# Altium PCB GameBoard_V1I1_Phase1.PcbDoc (part 2 of 18)
Units mm, origin at the board's own origin, x right, y up, seen from the top; angles counter-clockwise.
Board outline 182 x 70.2 mm, 12 copper layers (L1, L2, L3, L4, L5 (PWR), L6 (PWR), L7 (PWR), L8 (PWR), L9, L10, L11, L12), stack 2.079 mm thick; 1542 components, 1068 nets, 5447 pads, 3805 vias.
Unrouted connection lines stored in the file: 2.
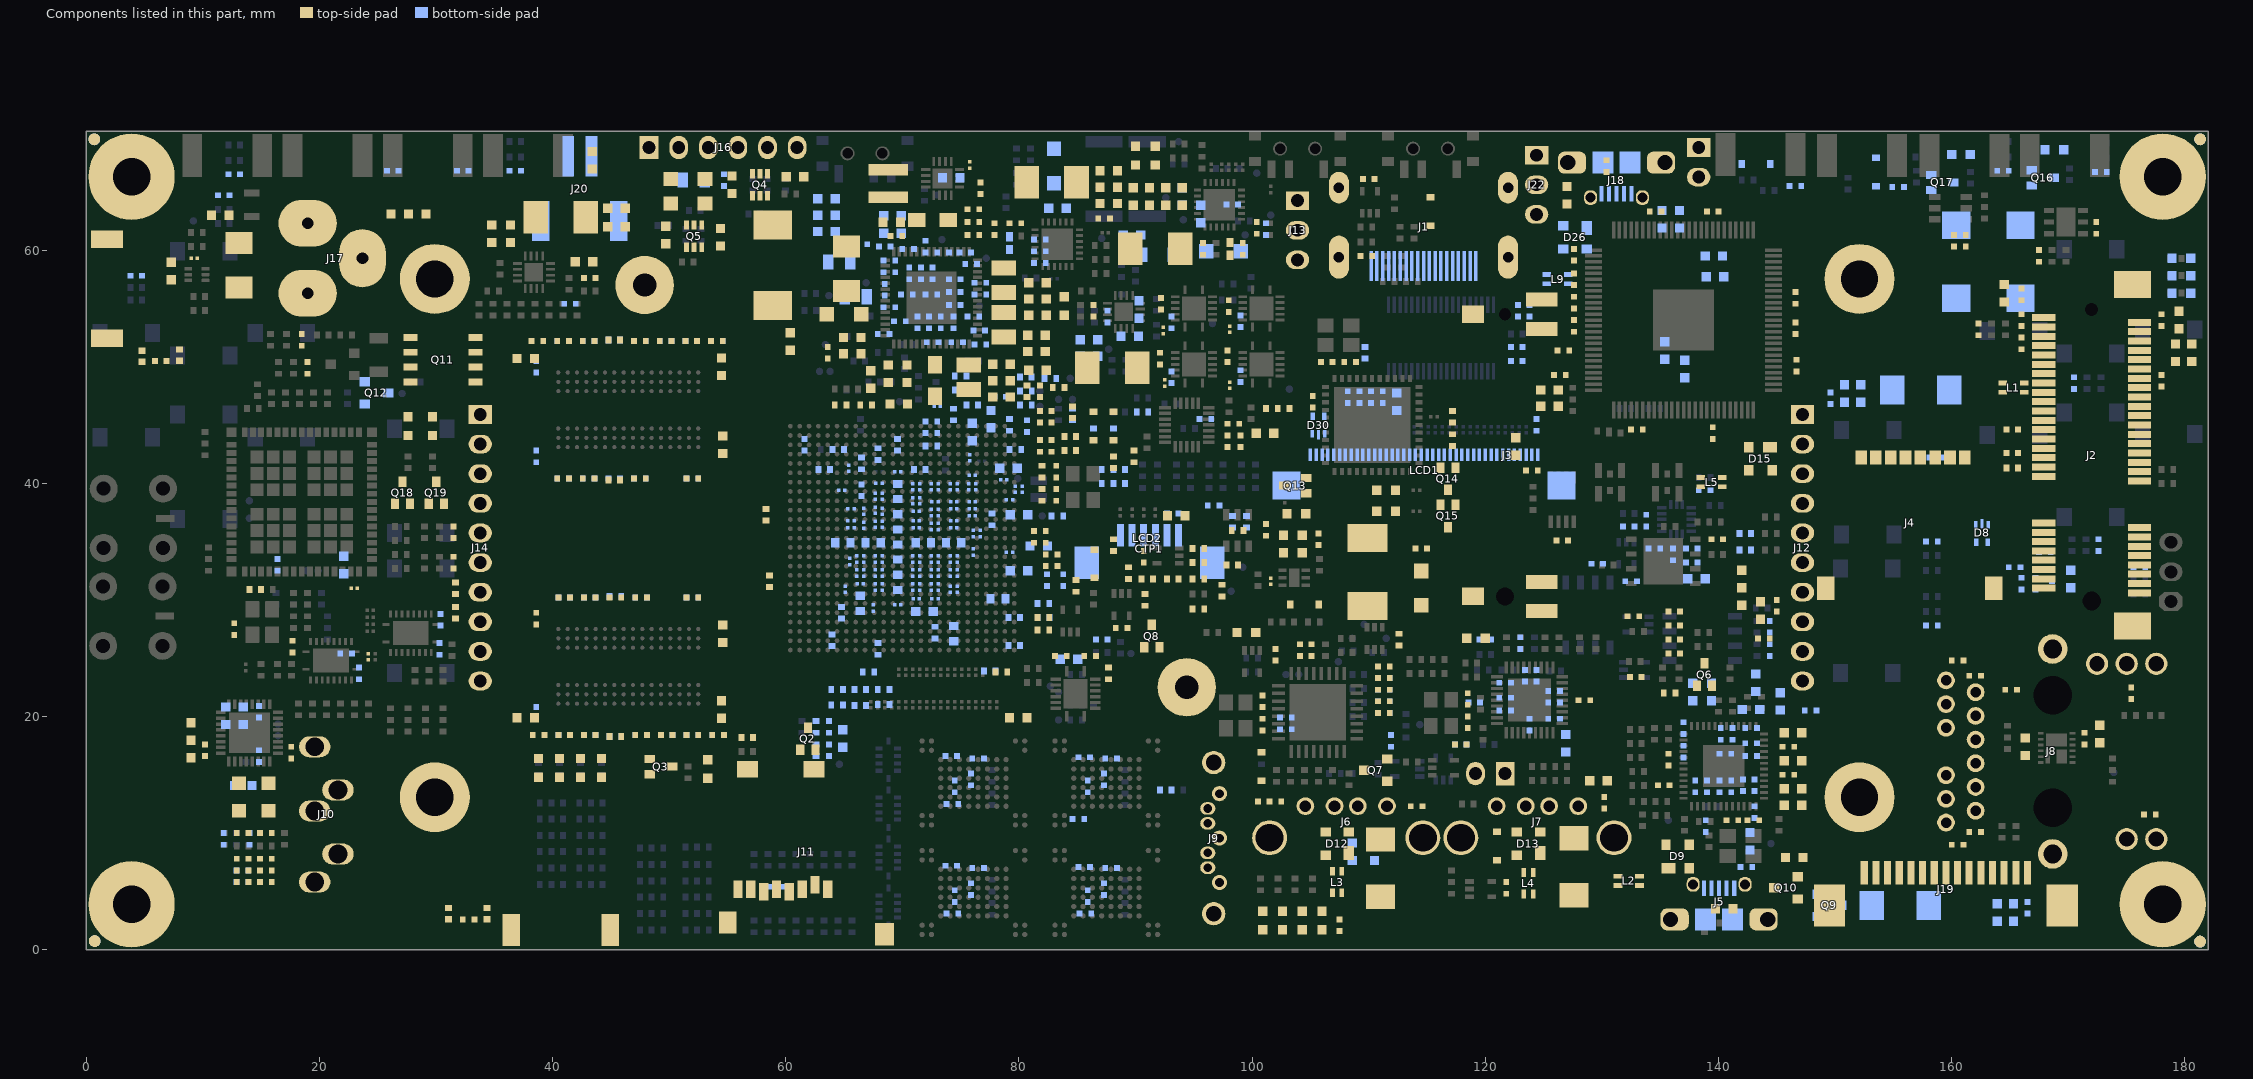
[diagram p12: the components of this part, seen from the top]

## Classes and differential pairs (continued)
net class BUTTONS: BUMP_L1 BUMP_L2 BUMP_R1 BUMP_R2 MOV_LD MOV_LL MOV_LR MOV_LU MOV_RD MOV_RL MOV_RR MOV_RU SEL_L1 SEL_L2 SEL_R1 SEL_R2 USER_BTN_1 USER_BTN_2 USER_BTN_3
net class USER_LEDS: USER_LED_1 USER_LED_2 USER_LED_3 USER_LED_4 USER_LED_5 USER_LED_6 USER_LED_7 USER_LED_8
net class USB1: USB1_HUB_N USB1_HUB_P USB1_N USB1_P USB_BOT_L_N USB_BOT_L_P USB_BOT_N USB_BOT_P USB_H1_OC USB_HDR_L_N USB_HDR_L_P USB_MCU_N USB_MCU_P USB_MCU_R_N USB_MCU_R_P USB_MPCIE_L_N USB_MPCIE_L_P USB_MPCIE_N USB_MPCIE_OC USB_MPCIE_P USB_TOP_L_N USB_TOP_L_P USB_TOP_N USB_TOP_P USBDN1_N USBDN1_OC USBDN1_P USBDN1_PWR_EN USBDN2_N USBDN2_OC USBDN2_P USBDN2_PWR_EN USBDN3_N USBDN3_OC USBDN3_P USBDN4_N USBDN4_P
net class USB0: USB0_CHD USB0_ID USB0_ID_BUFF_EN USB0_N USB0_OTG_L_N USB0_OTG_L_P USB0_OTG_N USB0_OTG_P USB0_P USB_OC
net class UART5: UART5_CTS UART5_RTS UART5_RXD UART5_TXD
net class UART3: UART3_CTS UART3_RTS UART3_RXD UART3_TXD
net class UART2: UART2_RXD UART2_TXD
net class UART1: UART1_CTS UART1_CTS_FTDI UART1_RTS UART1_RTS_FTDI UART1_RXD UART1_RXD_FTDI UART1_TXD UART1_TXD_FTDI
net class TS: TS_X+ TS_X- TS_Y+ TS_Y-
net class SIM: +MPCIE_SIM_PWR +MPCIE_SIM_VPP MPCIE_SIM_C4 MPCIE_SIM_C4_R MPCIE_SIM_C8 MPCIE_SIM_C8_R MPCIE_SIM_CLK MPCIE_SIM_DATA MPCIE_SIM_RST
net class SD2: SD2_ACT SD2_CD SD2_CLK SD2_CLK_R SD2_CMD SD2_CMD_R SD2_DATA0 SD2_DATA1 SD2_DATA2 SD2_DATA3 SD2_WP
net class SATA: SATA_C_RX_N SATA_C_RX_P SATA_C_TX_N SATA_C_TX_P SATA_REXT SATA_RX_N SATA_RX_P SATA_TX_N SATA_TX_P
net class RGMII_TXD: RGMII_R_TXCLK RGMII_TXCLK RGMII_TXD0 RGMII_TXD1 RGMII_TXD2 RGMII_TXD3 RGMII_TXEN
net class RGMII_RXD: RGMII_R_RXCLK RGMII_RXCLK RGMII_RXD0 RGMII_RXD1 RGMII_RXD2 RGMII_RXD3 RGMII_RXDV
net class RGMII_MISC: ENET_REF_CLK ENET_REF_CLK_R ETH_ISET RGMII_INT RGMII_INT_R RGMII_MDC RGMII_MDIO RGMII_R_MDC RGMII_R_MDIO
net class PWM: BL_PWM CHARGE_C\E\ CHARGE_INT VPP/MCLR
net class PCIE: PCIE_C_TX_N PCIE_C_TX_P PCIE_CLK_C_N PCIE_CLK_C_P PCIE_CLK_N PCIE_CLK_P PCIE_RSTn_R PCIE_RSTn_R_CPU PCIE_RX_N PCIE_RX_P PCIE_TX_N PCIE_TX_P PCIE_WAKE PCIE_WDISn
net class MIPI_CSI: CSI_CLK0_N CSI_CLK0_P CSI_D0_N CSI_D0_P CSI_D1_N CSI_D1_P CSI_GPIO0 CSI_GPIO1 CSI_REXT
net class LVDS: LVDS0_CLK_N LVDS0_CLK_P LVDS0_TX0_N LVDS0_TX0_P LVDS0_TX1_N LVDS0_TX1_P LVDS0_TX2_N LVDS0_TX2_P LVDS0_TX3_N LVDS0_TX3_P
net class LCD_SE: LCD_B0 LCD_B1 LCD_B2 LCD_B3 LCD_B4 LCD_B5 LCD_B6 LCD_B7 LCD_DE LCD_G0 LCD_G1 LCD_G2 LCD_G3 LCD_G4 LCD_G5 LCD_G6 LCD_G7 LCD_HSYNC LCD_PCLK LCD_R0 LCD_R1 LCD_R2 LCD_R3 LCD_R4 LCD_R5 LCD_R6 LCD_R7 LCD_VSYNC
net class LCD_R[7..0]: LCD_R0 LCD_R1 LCD_R2 LCD_R3 LCD_R4 LCD_R5 LCD_R6 LCD_R7
net class LCD_G[7..0]: LCD_G0 LCD_G1 LCD_G2 LCD_G3 LCD_G4 LCD_G5 LCD_G6 LCD_G7
net class LCD_B[7..0]: LCD_B0 LCD_B1 LCD_B2 LCD_B3 LCD_B4 LCD_B5 LCD_B6 LCD_B7
net class JTAG: JTAG_MOD JTAG_nTRST JTAG_TCK JTAG_TCK_R JTAG_TDI JTAG_TDI_R JTAG_TDO JTAG_TDO_R JTAG_TMS
net class I2C3: I2C3_SCL I2C3_SDA
net class I2C2: I2C2_SCL I2C2_SDA
net class I2C1: I2C1_SCL I2C1_SDA
net class HDMI: HDMI_CEC HDMI_CEC_CON HDMI_CEC_IN HDMI_DDC HDMI_HPD HDMI_HPD_BUFF HDMI_HPD_CON HDMI_HPD_R HDMI_SCL_CON HDMI_SCL_CON_R HDMI_SDA_CON HDMI_SDA_CON_R MX6_HDMI_CLK_N MX6_HDMI_CLK_P MX6_HDMI_D0_N MX6_HDMI_D0_P MX6_HDMI_D1_N MX6_HDMI_D1_P MX6_HDMI_D2_N MX6_HDMI_D2_P
net class GPIO: CPU_GPIO0 CPU_GPIO1 CPU_GPIO2
net class GPIO_MISC: COMP_INT GYRO_INT IR_RCV MCU_ISPn MCU_RSTINn MCU_SWDIO MCU_SWDIO_SEL TEMP_ALERT USER_LED
net class FLEXCAN: CAN_N CAN_P FLEXCAN1_RX FLEXCAN1_STBY FLEXCAN1_TX SPLIT_R
net class ENET: ENET_LED_LINK ENET_LED_RX LED1 LED2 TRD0_N TRD0_P TRD1_N TRD1_P TRD2_N TRD2_P TRD3_N TRD3_P
net class DRAM_SDCLK: DRAM_CLK0_N DRAM_CLK0_P DRAM_CLK1_N DRAM_CLK1_P
net class DRAM_OTHERS: ZQPAD
net class DRAM_D[63..0]: DRAM_D0 DRAM_D1 DRAM_D2 DRAM_D3 DRAM_D4 DRAM_D5 DRAM_D6 DRAM_D7 DRAM_D8 DRAM_D9 DRAM_D10 DRAM_D11 DRAM_D12 DRAM_D13 DRAM_D14 DRAM_D15 DRAM_D16 DRAM_D17 DRAM_D18 DRAM_D19 DRAM_D20 DRAM_D21 DRAM_D22 DRAM_D23 DRAM_D24 DRAM_D25 DRAM_D26 DRAM_D27 DRAM_D28 DRAM_D29 DRAM_D30 DRAM_D31 DRAM_D32 DRAM_D33 DRAM_D34 DRAM_D35 DRAM_D36 DRAM_D37 DRAM_D38 DRAM_D39 DRAM_D40 DRAM_D41 DRAM_D42 DRAM_D43 DRAM_D44 DRAM_D45 DRAM_D46 DRAM_D47 DRAM_D48 DRAM_D49 DRAM_D50 DRAM_D51 DRAM_D52 DRAM_D53 DRAM_D54 DRAM_D55 DRAM_D56 DRAM_D57 DRAM_D58 DRAM_D59 DRAM_D60 DRAM_D61 DRAM_D62 DRAM_D63
net class DRAM_BANK7: DRAM_D56 DRAM_D57 DRAM_D58 DRAM_D59 DRAM_D60 DRAM_D61 DRAM_D62 DRAM_D63 DRAM_DQM7 DRAM_DQS7_N DRAM_DQS7_P
net class DRAM_BANK6: DRAM_D48 DRAM_D49 DRAM_D50 DRAM_D51 DRAM_D52 DRAM_D53 DRAM_D54 DRAM_D55 DRAM_DQM6 DRAM_DQS6_N DRAM_DQS6_P
net class DRAM_BANK5: DRAM_D40 DRAM_D41 DRAM_D42 DRAM_D43 DRAM_D44 DRAM_D45 DRAM_D46 DRAM_D47 DRAM_DQM5 DRAM_DQS5_N DRAM_DQS5_P
net class DRAM_BANK4: DRAM_D32 DRAM_D33 DRAM_D34 DRAM_D35 DRAM_D36 DRAM_D37 DRAM_D38 DRAM_D39 DRAM_DQM4 DRAM_DQS4_N DRAM_DQS4_P
net class DRAM_BANK3: DRAM_D24 DRAM_D25 DRAM_D26 DRAM_D27 DRAM_D28 DRAM_D29 DRAM_D30 DRAM_D31 DRAM_DQM3 DRAM_DQS3_N DRAM_DQS3_P
net class DRAM_BANK2: DRAM_D16 DRAM_D17 DRAM_D18 DRAM_D19 DRAM_D20 DRAM_D21 DRAM_D22 DRAM_D23 DRAM_DQM2 DRAM_DQS2_N DRAM_DQS2_P
net class DRAM_BANK1: DRAM_D8 DRAM_D9 DRAM_D10 DRAM_D11 DRAM_D12 DRAM_D13 DRAM_D14 DRAM_D15 DRAM_DQM1 DRAM_DQS1_N DRAM_DQS1_P
net class DRAM_BANK0: DRAM_D0 DRAM_D1 DRAM_D2 DRAM_D3 DRAM_D4 DRAM_D5 DRAM_D6 DRAM_D7 DRAM_DQM0 DRAM_DQS0_N DRAM_DQS0_P
net class DRAM_ADDR_CTRL: DRAM_A0 DRAM_A1 DRAM_A2 DRAM_A3 DRAM_A4 DRAM_A5 DRAM_A6 DRAM_A7 DRAM_A8 DRAM_A9 DRAM_A10 DRAM_A11 DRAM_A12 DRAM_A13 DRAM_A14 DRAM_A15 DRAM_CAS_B DRAM_CS0_B DRAM_RAS_B DRAM_RESET_B DRAM_SDBA0 DRAM_SDBA1 DRAM_SDBA2 DRAM_SDCKE0 DRAM_SDODT0 DRAM_WE_B
net class DRAM_A[15..0]: DRAM_A0 DRAM_A1 DRAM_A2 DRAM_A3 DRAM_A4 DRAM_A5 DRAM_A6 DRAM_A7 DRAM_A8 DRAM_A9 DRAM_A10 DRAM_A11 DRAM_A12 DRAM_A13 DRAM_A14 DRAM_A15
net class DIFF100: CAN_N CAN_P CSI_CLK0_N CSI_CLK0_P CSI_CLK0_R_N CSI_CLK0_R_P CSI_D0_N CSI_D0_P CSI_D0_R_N CSI_D0_R_P CSI_D1_N CSI_D1_P CSI_D1_R_N CSI_D1_R_P DRAM_CLK0_N DRAM_CLK0_P DRAM_CLK1_N DRAM_CLK1_P DRAM_DQS0_N DRAM_DQS0_P DRAM_DQS1_N DRAM_DQS1_P DRAM_DQS2_N DRAM_DQS2_P DRAM_DQS3_N DRAM_DQS3_P DRAM_DQS4_N DRAM_DQS4_P DRAM_DQS5_N DRAM_DQS5_P DRAM_DQS6_N DRAM_DQS6_P DRAM_DQS7_N DRAM_DQS7_P HDMI_CLK_N HDMI_CLK_P HDMI_D0_N HDMI_D0_P HDMI_D1_N HDMI_D1_P HDMI_D2_N HDMI_D2_P LCD_HDMI_CLK_N LCD_HDMI_CLK_P LCD_HDMI_D0_N LCD_HDMI_D0_P LCD_HDMI_D1_N LCD_HDMI_D1_P LCD_HDMI_D2_N LCD_HDMI_D2_P LVDS0_CLK_N LVDS0_CLK_P LVDS0_CLK_R_N LVDS0_CLK_R_P LVDS0_TX0_N LVDS0_TX0_P LVDS0_TX1_N LVDS0_TX1_P LVDS0_TX2_N LVDS0_TX2_P LVDS0_TX3_N LVDS0_TX3_P MX6_HDMI_CLK_N MX6_HDMI_CLK_P MX6_HDMI_D0_N MX6_HDMI_D0_P MX6_HDMI_D1_N MX6_HDMI_D1_P MX6_HDMI_D2_N MX6_HDMI_D2_P PCIE_CLK_C_N PCIE_CLK_C_P PCIE_CLK_N PCIE_CLK_P SATA_C_RX_N SATA_C_RX_P SATA_C_TX_N SATA_C_TX_P SATA_RX_N SATA_RX_P SATA_TX_N SATA_TX_P TRD0_N TRD0_P TRD1_N TRD1_P TRD2_N TRD2_P TRD3_N TRD3_P
net class DIFF90: PCIE_C_TX_N PCIE_C_TX_P PCIE_RX_N PCIE_RX_P PCIE_TX_N PCIE_TX_P USB0_N USB0_OTG_L_N USB0_OTG_L_P USB0_OTG_N USB0_OTG_P USB0_P USB1_HUB_N USB1_HUB_P USB1_N USB1_P USB_BOT_L_N USB_BOT_L_P USB_BOT_N USB_BOT_P USB_HDR_L_N USB_HDR_L_P USB_HDR_N USB_HDR_P USB_LCDCTP_N USB_LCDCTP_P USB_MCU_N USB_MCU_P USB_MCU_R_N USB_MCU_R_P USB_MPCIE_L_N USB_MPCIE_L_P USB_MPCIE_N USB_MPCIE_P USB_TOP_L_N USB_TOP_L_P USB_TOP_N USB_TOP_P USBCh_OTG_L_N USBCh_OTG_L_P USBCh_OTG_N USBCh_OTG_P USBDN1_N USBDN1_P USBDN2_N USBDN2_P USBDN3_N USBDN3_P USBDN4_N USBDN4_P
net class CSPI3: CSPI3_CLK CSPI3_CLK_R CSPI3_CS0 CSPI3_CS2 CSPI3_MCU_CLK CSPI3_MCU_CS0 CSPI3_MCU_ENn CSPI3_MCU_MISO CSPI3_MCU_MOSI CSPI3_MISO CSPI3_MOSI
net class CSPI2: CSPI2_RXD CSPI2_TXC CSPI2_TXD CSPI2_TXFS
net class CSPI1: CSPI1_CLK CSPI1_CLK_R CSPI1_CS0 CSPI1_CS1 CSPI1_MISO CSPI1_MOSI
net class "CSI / LVDS": CSI_CLK0_R_N CSI_CLK0_R_P CSI_D0_R_N CSI_D0_R_P CSI_D1_R_N CSI_D1_R_P I2C2_CSI_SCL I2C2_CSI_SDA LVDS0_CLK_R_N LVDS0_CLK_R_P
net class AUD3: AUD3_CLK AUD3_CLK_R AUD3_RXD AUD3_TXC AUD3_TXC_R AUD3_TXD AUD3_TXFS
net class USBCh: USBCh_OTG_L_N USBCh_OTG_L_P
differential pair USBDN4: +USBDN4_P -USBDN4_N
differential pair USBDN3: +USBDN3_P -USBDN3_N
differential pair USBDN2: +USBDN2_P -USBDN2_N
differential pair USBDN1: +USBDN1_P -USBDN1_N
differential pair USB_TOP: +USB_TOP_P -USB_TOP_N
differential pair USB_TOP_L: +USB_TOP_L_P -USB_TOP_L_N
differential pair USB_MPCIE: +USB_MPCIE_P -USB_MPCIE_N
differential pair USB_MPCIE_L: +USB_MPCIE_L_P -USB_MPCIE_L_N
differential pair USB_MCU: +USB_MCU_P -USB_MCU_N
differential pair USB_MCU_R: +USB_MCU_R_P -USB_MCU_R_N
differential pair USB_LCDCTP: +USB_LCDCTP_P -USB_LCDCTP_N
differential pair USB_HDR: +USB_HDR_P -USB_HDR_N
differential pair USB_HDR_L: +USB_HDR_L_P -USB_HDR_L_N
differential pair USB_BOT: +USB_BOT_P -USB_BOT_N
differential pair USB_BOT_L: +USB_BOT_L_P -USB_BOT_L_N
differential pair USB1: +USB1_P -USB1_N
differential pair USB1_HUB: +USB1_HUB_P -USB1_HUB_N
differential pair USB0: +USB0_P -USB0_N
differential pair USB0_OTG: +USB0_OTG_P -USB0_OTG_N
differential pair USB0_OTG_L: +USB0_OTG_L_P -USB0_OTG_L_N
differential pair TRD3: +TRD3_P -TRD3_N
differential pair TRD2: +TRD2_P -TRD2_N
differential pair TRD1: +TRD1_P -TRD1_N
differential pair TRD0: +TRD0_P -TRD0_N
differential pair SATA_TX: +SATA_TX_P -SATA_TX_N
differential pair SATA_RX: +SATA_RX_P -SATA_RX_N
differential pair SATA_C_TX: +SATA_C_TX_P -SATA_C_TX_N
differential pair SATA_C_RX: +SATA_C_RX_P -SATA_C_RX_N
differential pair PCIE_TX: +PCIE_TX_P -PCIE_TX_N
differential pair PCIE_RX: +PCIE_RX_P -PCIE_RX_N
differential pair PCIE_CLK: +PCIE_CLK_P -PCIE_CLK_N
differential pair PCIE_CLK_C: +PCIE_CLK_C_P -PCIE_CLK_C_N
differential pair PCIE_C_TX: +PCIE_C_TX_P -PCIE_C_TX_N
differential pair MX6_HDMI_D2: +MX6_HDMI_D2_P -MX6_HDMI_D2_N
differential pair MX6_HDMI_D1: +MX6_HDMI_D1_P -MX6_HDMI_D1_N
differential pair MX6_HDMI_D0: +MX6_HDMI_D0_P -MX6_HDMI_D0_N
differential pair MX6_HDMI_CLK: +MX6_HDMI_CLK_P -MX6_HDMI_CLK_N
differential pair LVDS0_TX3: +LVDS0_TX3_P -LVDS0_TX3_N
differential pair LVDS0_TX2: +LVDS0_TX2_P -LVDS0_TX2_N
differential pair LVDS0_TX1: +LVDS0_TX1_P -LVDS0_TX1_N
differential pair LVDS0_TX0: +LVDS0_TX0_P -LVDS0_TX0_N
differential pair LVDS0_CLK: +LVDS0_CLK_P -LVDS0_CLK_N
differential pair LVDS0_CLK_R: +LVDS0_CLK_R_P -LVDS0_CLK_R_N
differential pair LCD_HDMI_D2: +LCD_HDMI_D2_P -LCD_HDMI_D2_N
differential pair LCD_HDMI_D1: +LCD_HDMI_D1_P -LCD_HDMI_D1_N
differential pair LCD_HDMI_D0: +LCD_HDMI_D0_P -LCD_HDMI_D0_N
differential pair LCD_HDMI_CLK: +LCD_HDMI_CLK_P -LCD_HDMI_CLK_N
differential pair HDMI_D2: +HDMI_D2_P -HDMI_D2_N
differential pair HDMI_D1: +HDMI_D1_P -HDMI_D1_N
differential pair HDMI_D0: +HDMI_D0_P -HDMI_D0_N
differential pair HDMI_CLK: +HDMI_CLK_P -HDMI_CLK_N
differential pair DRAM_DQS7: +DRAM_DQS7_P -DRAM_DQS7_N
differential pair DRAM_DQS6: +DRAM_DQS6_P -DRAM_DQS6_N
differential pair DRAM_DQS5: +DRAM_DQS5_P -DRAM_DQS5_N
differential pair DRAM_DQS4: +DRAM_DQS4_P -DRAM_DQS4_N
differential pair DRAM_DQS3: +DRAM_DQS3_P -DRAM_DQS3_N
differential pair DRAM_DQS2: +DRAM_DQS2_P -DRAM_DQS2_N
differential pair DRAM_DQS1: +DRAM_DQS1_P -DRAM_DQS1_N
differential pair DRAM_DQS0: +DRAM_DQS0_P -DRAM_DQS0_N
differential pair DRAM_CLK1: +DRAM_CLK1_P -DRAM_CLK1_N
differential pair DRAM_CLK0: +DRAM_CLK0_P -DRAM_CLK0_N
differential pair CSI_D1: +CSI_D1_P -CSI_D1_N
differential pair CSI_D1_R: +CSI_D1_R_P -CSI_D1_R_N
differential pair CSI_D0: +CSI_D0_P -CSI_D0_N
differential pair CSI_D0_R: +CSI_D0_R_P -CSI_D0_R_N
differential pair CSI_CLK0: +CSI_CLK0_P -CSI_CLK0_N
differential pair CSI_CLK0_R: +CSI_CLK0_R_P -CSI_CLK0_R_N
differential pair CAN: +CAN_P -CAN_N
differential pair USBCh_OTG_L: +USBCh_OTG_L_P -USBCh_OTG_L_N
differential pair USBCh_OTG: +USBCh_OTG_P -USBCh_OTG_N

## Components (designator, comment, footprint, x,y, rotation, side; value= is the part's Value field where it differs from the comment)
A1 "W3006" W3006 40.7,1.7 r0 top
A2 "W3006" W3006 1.8,56.7 r90 top
BAT1 "PRT-13855" "LI-ION BAT" 197.2,27.7 r0 bottom
C1 "220n" C0402 47.5,40.4 r0 top value=220nF
C2 "220n" C0402 47.5,52.2 r0 top value=220nF
C3 "220n" C0402 47.5,52.2 r0 bottom value=220nF
C4 "220n" C0402 47.5,40.4 r0 bottom value=220nF
C5 "100n" C0402 61.6,43.3 r270 bottom value=100nF
C6 "220n" C0402 47.6,18.4 r0 top value=220nF
C7 "220n" C0402 47.6,30.2 r0 top value=220nF
C8 "220n" C0402 47.6,18.4 r0 bottom value=220nF
C9 "220n" C0402 47.6,30.2 r0 bottom value=220nF
C10 "100n" C0402 63.7,17.1 r90 bottom value=100nF
C11 "10u" C0603 64.9,18.1 r90 bottom value=10µF
C12 "22u" C0603 37.7,50.7 r180 top
C13 "22u" C0603 54.5,50 r90 top
C14 "22u" C0603 54.6,43.3 r90 top
C15 "22u" C0603 37.7,19.9 r180 top
C16 "22u" C0603 54.5,20.6 r270 top
C17 "22u" C0603 54.6,27.1 r270 top
C18 "100n" C0402 63.7,19.1 r90 bottom value=100nF
C19 "220n" C0402 43.2,30.2 r180 top value=220nF
C20 "220n" C0402 45.4,30.2 r0 top value=220nF
C21 "220n" C0402 52,30.2 r0 top value=220nF
C22 "220n" C0402 38.8,18.4 r180 top value=220nF
C23 "220n" C0402 54.2,18.4 r0 top value=220nF
C24 "220n" C0402 52,18.4 r0 top value=220nF
C25 "220n" C0402 49.8,18.4 r0 top value=220nF
C26 "220n" C0402 41,30.2 r180 top value=220nF
C27 "220n" C0402 41,18.4 r180 top value=220nF
C28 "220n" C0402 43.2,18.4 r180 top value=220nF
C29 "220n" C0402 52,40.4 r0 top value=220nF
C30 "220n" C0402 40.9,40.4 r180 top value=220nF
C31 "220n" C0402 43.1,40.4 r180 top value=220nF
C32 "220n" C0402 38.7,52.2 r180 top value=220nF
C33 "220n" C0402 40.9,52.2 r180 top value=220nF
C34 "220n" C0402 43.1,52.2 r180 top value=220nF
C35 "220n" C0402 38.6,50 r90 bottom value=220nF
C36 "220n" C0402 54.1,52.2 r0 top value=220nF
C37 "220n" C0402 51.9,52.2 r0 top value=220nF
C38 "220n" C0402 49.7,52.2 r0 top value=220nF
C39 "220n" C0402 38.6,28.4 r90 top value=220nF
C40 "220n" C0402 38.6,20.3 r270 bottom value=220nF
C41 "220n" C0402 41,30.2 r180 bottom value=220nF
C42 "220n" C0402 43.2,30.2 r180 bottom value=220nF
C43 "220n" C0402 52,30.2 r0 bottom value=220nF
C44 "220n" C0402 54.2,18.4 r0 bottom value=220nF
C45 "220n" C0402 52,18.4 r0 bottom value=220nF
C46 "220n" C0402 49.8,18.4 r0 bottom value=220nF
C47 "220n" C0402 43.2,18.4 r180 bottom value=220nF
C48 "220n" C0402 41,18.4 r180 bottom value=220nF
C49 "220n" C0402 38.6,42.3 r270 bottom value=220nF
C50 "220n" C0402 40.9,52.2 r180 bottom value=220nF
C51 "220n" C0402 43.1,52.2 r180 bottom value=220nF
C52 "220n" C0402 49.7,52.2 r0 bottom value=220nF
C53 "220n" C0402 51.9,52.2 r0 bottom value=220nF
C54 "220n" C0402 54.1,52.2 r0 bottom value=220nF
C55 "220n" C0402 45.3,40.4 r0 bottom value=220nF
C56 "220n" C0402 52,40.4 r0 bottom value=220nF
C57 "220n" C0402 43.1,40.4 r180 bottom value=220nF
C58 "220n" C0402 40.9,40.4 r180 bottom value=220nF
C59 "220n" C0201 74.7,39.7 r270 bottom
C60 "4u7" C0402 78.4,47.42 r0 bottom
C61 "220n" C0201 75.7,39.7 r270 bottom
C62 "100n" C0402 82.3,46.2 r0 top value=100nF
C63 "4u7" C0402 80.7,44.9 r90 bottom
C64 "220n" C0201 76,40.7 r0 bottom
C65 "100n" C0402 82.3,45.2 r0 top value=100nF
C66 "100n" C0402 82.3,42.7 r0 top value=100nF
C67 "100n" C0402 82.3,43.7 r0 top value=100nF
C68 "10u" C0603 80,37.3 r0 bottom value=10µF
C69 "220n" C0201 76.3,39.7 r90 bottom
C70 "220n" C0201 76,38.4 r180 bottom
C71 "220n" C0201 76,37.8 r180 bottom
C72 "4u7" C0402 72.5,45.3 r180 bottom
C73 "220n" C0201 71.5,39.7 r270 bottom
C74 "100n" C0402 81.8,47.9 r90 top value=100nF
C75 "4u7" C0402 72.5,44.3 r180 bottom
C76 "220n" C0201 70.9,39.7 r270 bottom
C77 "10n" C0402 99,49.2 r270 bottom value=10nF
C78 "100n" C0402 97.9,50.9 r90 top value=100nF
C79 "10n" C0402 93.1,49.1 r270 bottom value=10nF
C80 "100n" C0402 92.1,50.7 r90 top value=100nF
C81 "10n" C0402 99,53.9 r270 bottom value=10nF
C82 "100n" C0402 98,55.2 r90 top value=100nF
C83 "4u7" C0402 66.5,39.4 r270 bottom
C84 "220n" C0201 65.4,41.3 r90 bottom
C85 "10n" C0402 93.1,53.8 r270 bottom value=10nF
C86 "100n" C0402 92.2,55.4 r90 top value=100nF
C87 "220n" C0201 76.1,35.7 r270 bottom
C88 "10n" C0402 82.8,32.9 r0 top value=10nF
C89 "10n" C0402 82.8,33.9 r0 top value=10nF
C90 "10n" C0402 81.8,34.9 r0 top value=10nF
C91 "10n" C0402 81.8,35.9 r0 top value=10nF
C92 "4u7" C0402 82.4,31.7 r90 bottom
C93 "220n" C0201 74.4,36.2 r180 bottom
C94 "18p" C0201 79.7,39.5 r90 bottom
C95 "18p" C0201 79.2,38.6 r180 bottom
C96 "18p" C0402 83.2,39 r270 top value=18pF
C97 "18p" C0402 83.2,41 r90 top value=18pF
C98 "100n" C0402 90.7,33.7 r90 top value=100nF
C99 "100n" C0402 96.7,38.1 r180 bottom value=100nF
C100 "100n" C0402 83.8,31.7 r90 bottom value=100nF
C101 "100n" C0402 101.2,36 r270 top value=100nF
C102 "100n" C0402 88.8,27.6 r180 top value=100nF
C103 "220n" C0201 68.3,33.5 r270 bottom
C104 "220n" C0201 71.5,33.5 r270 bottom
C105 "220n" C0201 73.1,33.5 r270 bottom
C106 "220n" C0201 70.9,33.5 r270 bottom
C107 "220n" C0201 72.5,33.5 r270 bottom
C108 "220n" C0201 74.1,33.5 r270 bottom
C109 "22u" C0603_SMALL 74.4,34.9 r0 bottom locked
C110 "220n" C0201 72.5,36.3 r90 bottom
C111 "220n" C0201 73.1,36.3 r90 bottom
C112 "220n" C0201 68.3,36.5 r90 bottom
C113 "220n" C0201 71.2,36.2 r0 bottom
C114 "22u" C0603_SMALL 71.8,34.9 r180 bottom
C115 "220n" C0201 70.9,38.5 r270 bottom
C116 "220n" C0201 71.5,38.5 r270 bottom
C117 "220n" C0201 68.3,38.9 r90 bottom
C118 "220n" C0201 67.7,38.9 r90 bottom
C119 "22u" C0603_SMALL 69.6,39.3 r90 bottom
C120 "220n" C0201 72.5,37.5 r90 bottom
C121 "220n" C0201 73.1,37.5 r90 bottom
C122 "220n" C0201 71.2,37.6 r0 bottom
C123 "220n" C0201 68.3,37.6 r90 bottom
C124 "22u" C0603_SMALL 69.6,36.7 r270 bottom
C125 "220n" C0201 66.7,33.5 r270 bottom
C126 "220n" C0201 66.7,36.4 r90 bottom
C127 "220n" C0201 66.7,37.6 r270 bottom
C128 "220n" C0201 67.7,33.5 r270 bottom
C129 "220n" C0201 67.7,36.5 r90 bottom
C130 "220n" C0201 67.7,37.7 r270 bottom
C131 "22u" C0603_SMALL 67.5,34.9 r0 bottom
C132 "220n" C0201 72.5,32.3 r90 bottom
C133 "220n" C0201 71.5,32.3 r90 bottom
C134 "220n" C0201 68.3,32.3 r270 bottom
C135 "220n" C0201 66.7,32.3 r270 bottom
C136 "220n" C0201 74.1,32.3 r90 bottom
C137 "220n" C0201 73.1,32.3 r90 bottom
C138 "220n" C0201 70.9,32.3 r90 bottom
C139 "220n" C0201 67.7,32.3 r270 bottom
C140 "22u" C0603_SMALL 69.6,34.1 r90 bottom
C141 "22u" C0603_SMALL 74.4,27.1 r270 bottom
C142 "22u" C0603_SMALL 78.2,30.1 r0 bottom
C143 "220n" C0201 70.9,31.1 r270 bottom
C144 "220n" C0201 71.5,31.1 r270 bottom
C145 "220n" C0201 72.5,31.1 r270 bottom
C146 "220n" C0201 73.1,31.1 r270 bottom
C147 "220n" C0201 74.1,30.9 r270 bottom
C148 "22u" C0603_SMALL 69.6,31.5 r270 bottom
C149 "220n" C0201 74.1,39.7 r90 bottom
C150 "22u" C0603 81.7,34.626 r180 bottom
C151 "220n" C0201 71.2,36.8 r0 bottom
C152 "10n" C0201 74.4,37.8 r0 bottom
C153 "220n" C0201 72.8,38.4 r180 bottom
C154 "22u" C0603 76,44.4 r90 bottom
C155 "220n" C0201 74.4,36.8 r180 bottom
C156 "220n" C0201 74.4,38.4 r0 bottom
C157 "220n" C0201 69.6,29.6 r0 bottom
C158 "220n" C0201 69.6,41 r180 bottom
C159 "220n" C0201 72.8,30.1 r0 bottom
C160 "220n" C0201 71.2,30.1 r0 bottom
C161 "22u" C0603 80,32.5 r0 bottom
C162 "22u" C0603 71.9,29 r0 bottom
C163 "220n" C0201 72.5,39.7 r270 bottom
C164 "220n" C0201 78.7,40.3 r0 bottom
C165 "22u" C0603 79.1,41.3 r0 bottom
C166 "220n" C0201 67.5,29.3 r270 bottom
C167 "22u" C0603 84.3,24.9 r180 bottom
C168 "220n" C0201 74.7,30.9 r270 bottom
C169 "220n" C0402 87.1,26.6 r180 bottom value=220nF
C170 "220n" C0201 73.1,39.7 r270 bottom
C171 "220n" C0201 68.3,31.1 r90 bottom
C172 "220n" C0201 66.1,33.5 r270 bottom
C173 "220n" C0201 66.1,32.3 r270 bottom
C174 "220n" C0201 65.6,37.8 r180 bottom
C175 "220n" C0201 65.1,30.9 r270 bottom
C176 "220n" C0201 67.7,31.1 r90 bottom
C177 "220n" C0201 74.7,32.3 r90 bottom
C178 "220n" C0201 74.7,33.5 r270 bottom
C179 "220n" C0201 68,40 r180 bottom
C180 "220n" C0201 64.8,39.4 r180 bottom
C181 "220n" C0201 65.6,36.8 r180 bottom
C182 "220n" C0201 65.6,36.2 r180 bottom
C183 "220n" C0201 65.5,33.3 r270 bottom
C184 "220n" C0201 66.4,31.4 r180 bottom
C185 "22u" C0603_SMALL 64.9,34.9 r180 bottom
C186 "22u" C0603_SMALL 66.4,29.7 r270 bottom
C187 "220n" C0201 76.1,34.1 r90 bottom
C188 "22pF" C0402 143,11.1 r0 top
C189 "22pF" C0402 141.2,11.1 r180 top
C190 "10u" C0603 166.3,17.4 r270 top value=10µF
C191 "10u" C0603 172.7,18.5 r90 top value=10µF
C192 "560pF" C0402 171.4,18.1 r90 top
C193 "10u" C0603 142.8,20.6 r0 bottom value=10µF
C194 "100n" C0402 140.6,16.8 r0 bottom value=100nF
C195 "10n" C0402 138.9,10.6 r270 bottom value=10nF
C196 "10n" C0402 142.8,17.7 r180 bottom value=10nF
C197 "10n" C0402 140.2,18.5 r270 bottom value=10nF
C198 "10n" C0402 137,19 r90 bottom value=10nF
C199 "10n" C0402 137.01,16.99 r270 bottom value=10nF
C200 "10n" C0402 135.7,16.3 r90 top value=10nF
C201 "10u" C0603 146.4,16.2 r0 top value=10µF
C202 "100n" C0402 142.8,16.6 r180 bottom value=100nF
C203 "10n" C0402 146,15 r0 top value=10nF
C204 "10n" C0402 146,17.4 r0 top value=10nF
C205 "10u" C0603 145.3,21.3 r90 bottom value=10µF
C206 "100n" C0402 140.1,14 r90 bottom value=100nF
C207 "10n" C0402 141.1,14 r90 bottom value=10nF
C208 "10u" C0603 139.4,22.1 r90 bottom value=10µF
C209 "100n" C0402 135.3,14.1 r180 top value=100nF
C210 "10n" C0402 141.2,18.5 r270 bottom value=10nF
C211 "10n" C0402 138,14 r90 bottom value=10nF
C212 "10n" C0402 139,14 r90 bottom value=10nF
C213 "10u" C0603 146.4,12.4 r0 top value=10µF
C214 "100n" C0402 143.1,11.8 r270 bottom value=100nF
C215 "10n" C0402 142.8,19 r180 bottom value=10nF
C216 "10n" C0402 143.1,14.1 r90 bottom value=10nF
C217 "10n" C0402 142.1,14.1 r90 bottom value=10nF
C218 "100n" C0402 122.7,50.5 r0 bottom value=100nF
C219 "100n" C0402 122.7,51.7 r0 bottom value=100nF
C220 "100n" C0402 123.3,54.3 r0 bottom value=100nF
C221 "100n" C0402 123.3,55.3 r0 bottom value=100nF
C222 "100n" C0402 109.8,59.5 r180 top value=100nF
C223 "100n" C0402 110,66.1 r0 top value=100nF
C224 "330u" C2917 165.9,59 r90 bottom locked
C225 "330u" C2917 160.4,59 r90 bottom locked
C226 "100n" C0402 165.4,32.8 r180 bottom value=100nF
C227 "100n" C0402 165.2,44.6 r180 top value=100nF
C228 "100n" C0402 166,52 r270 top value=100nF
C229 "4u7" C0402 168.6,32.1 r270 bottom